# Altium PCB Hrafn.PcbDoc (part 1 of 5) (continued)
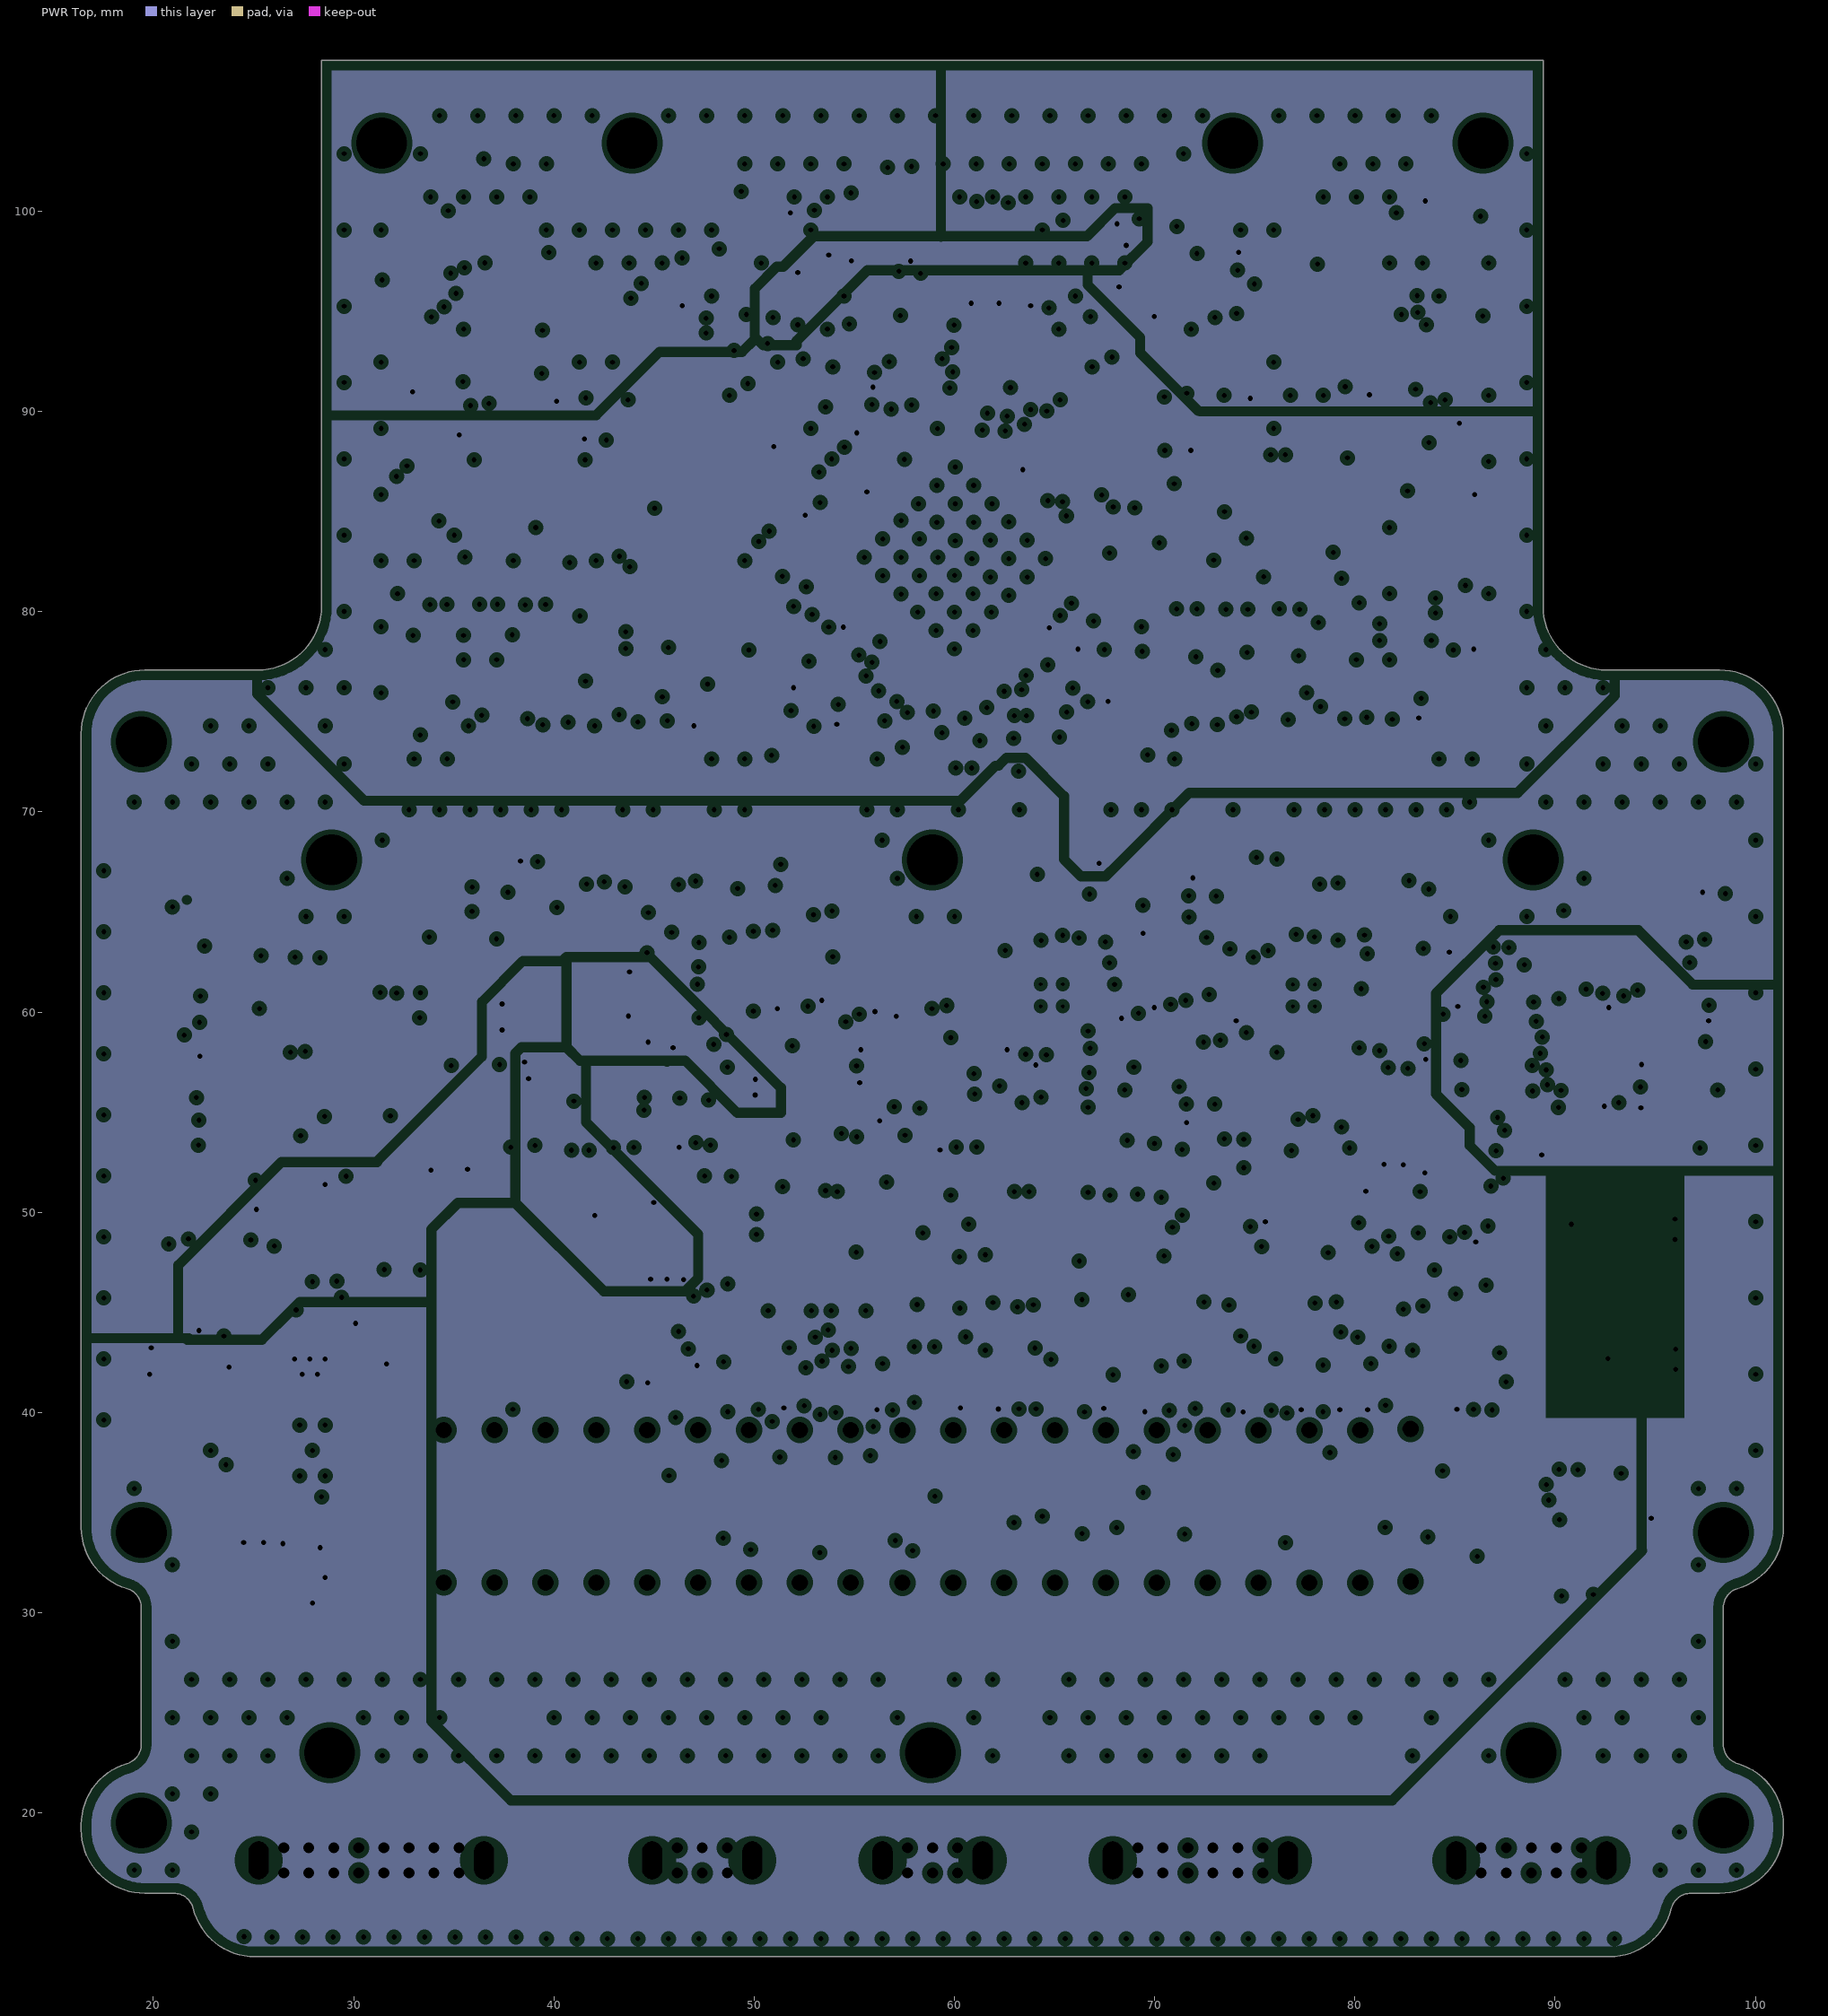
[diagram p4: PWR Top, clearances drawn from the general rule]
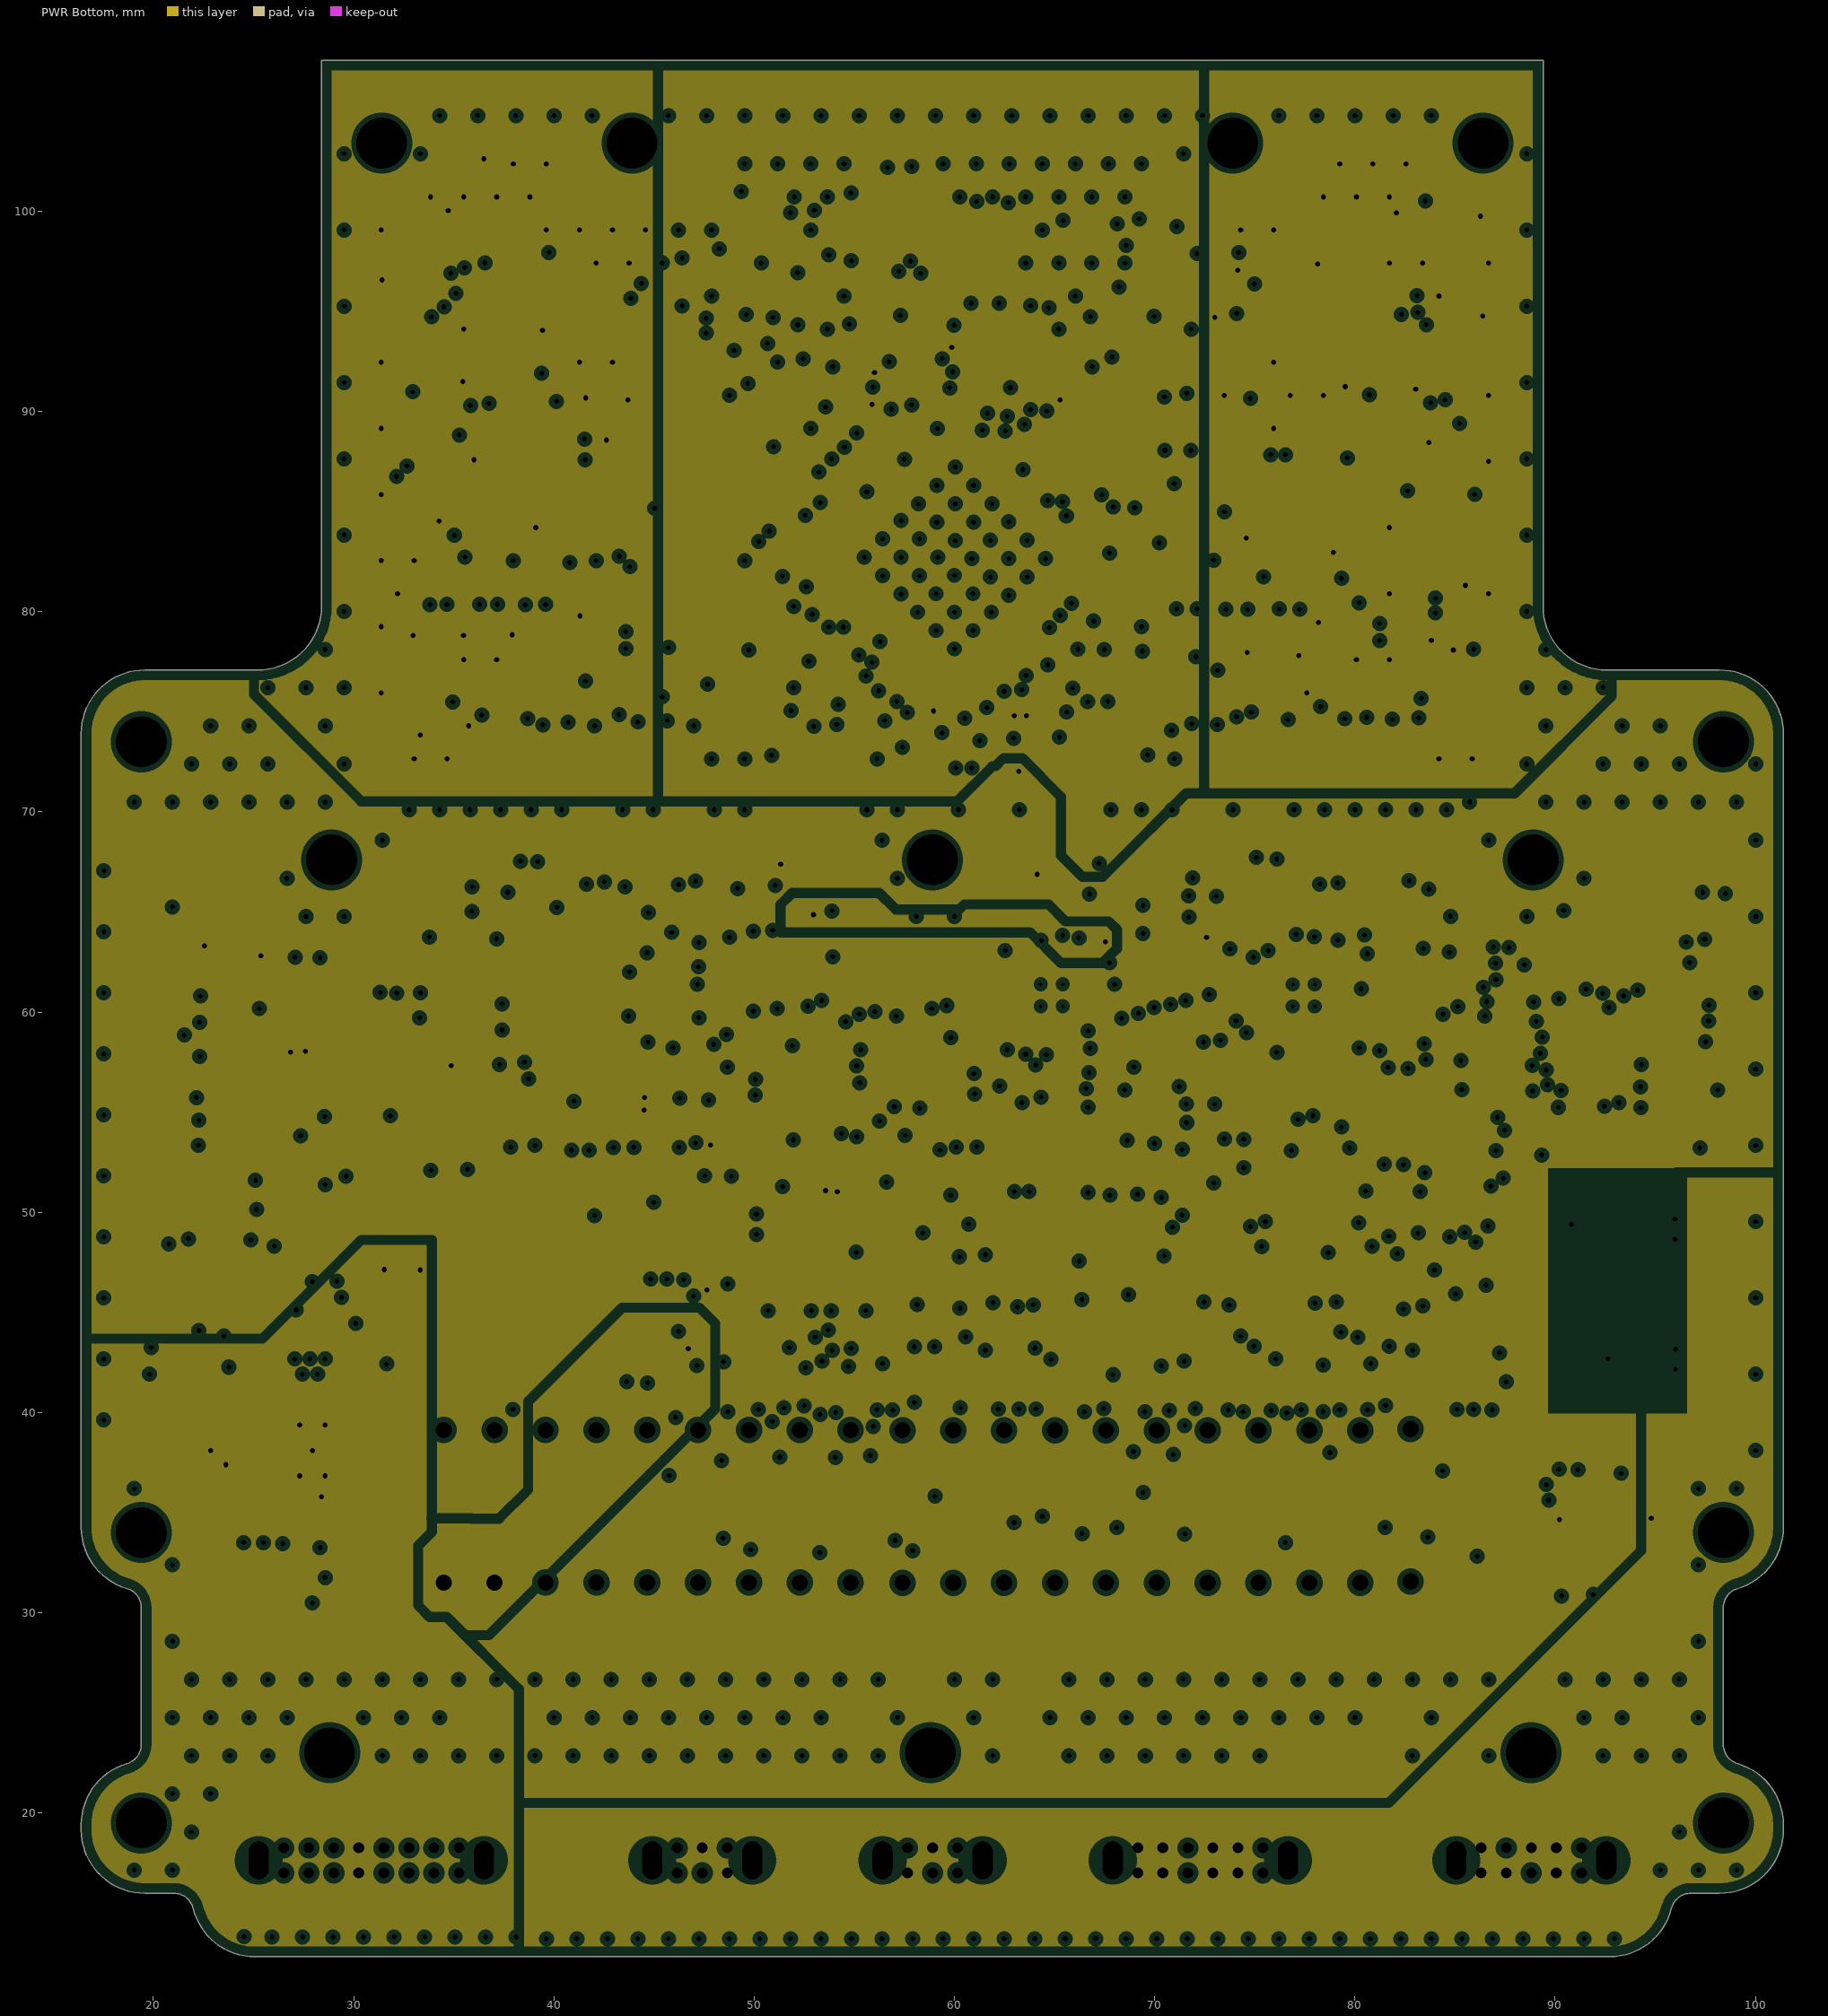
[diagram p5: PWR Bottom, clearances drawn from the general rule]
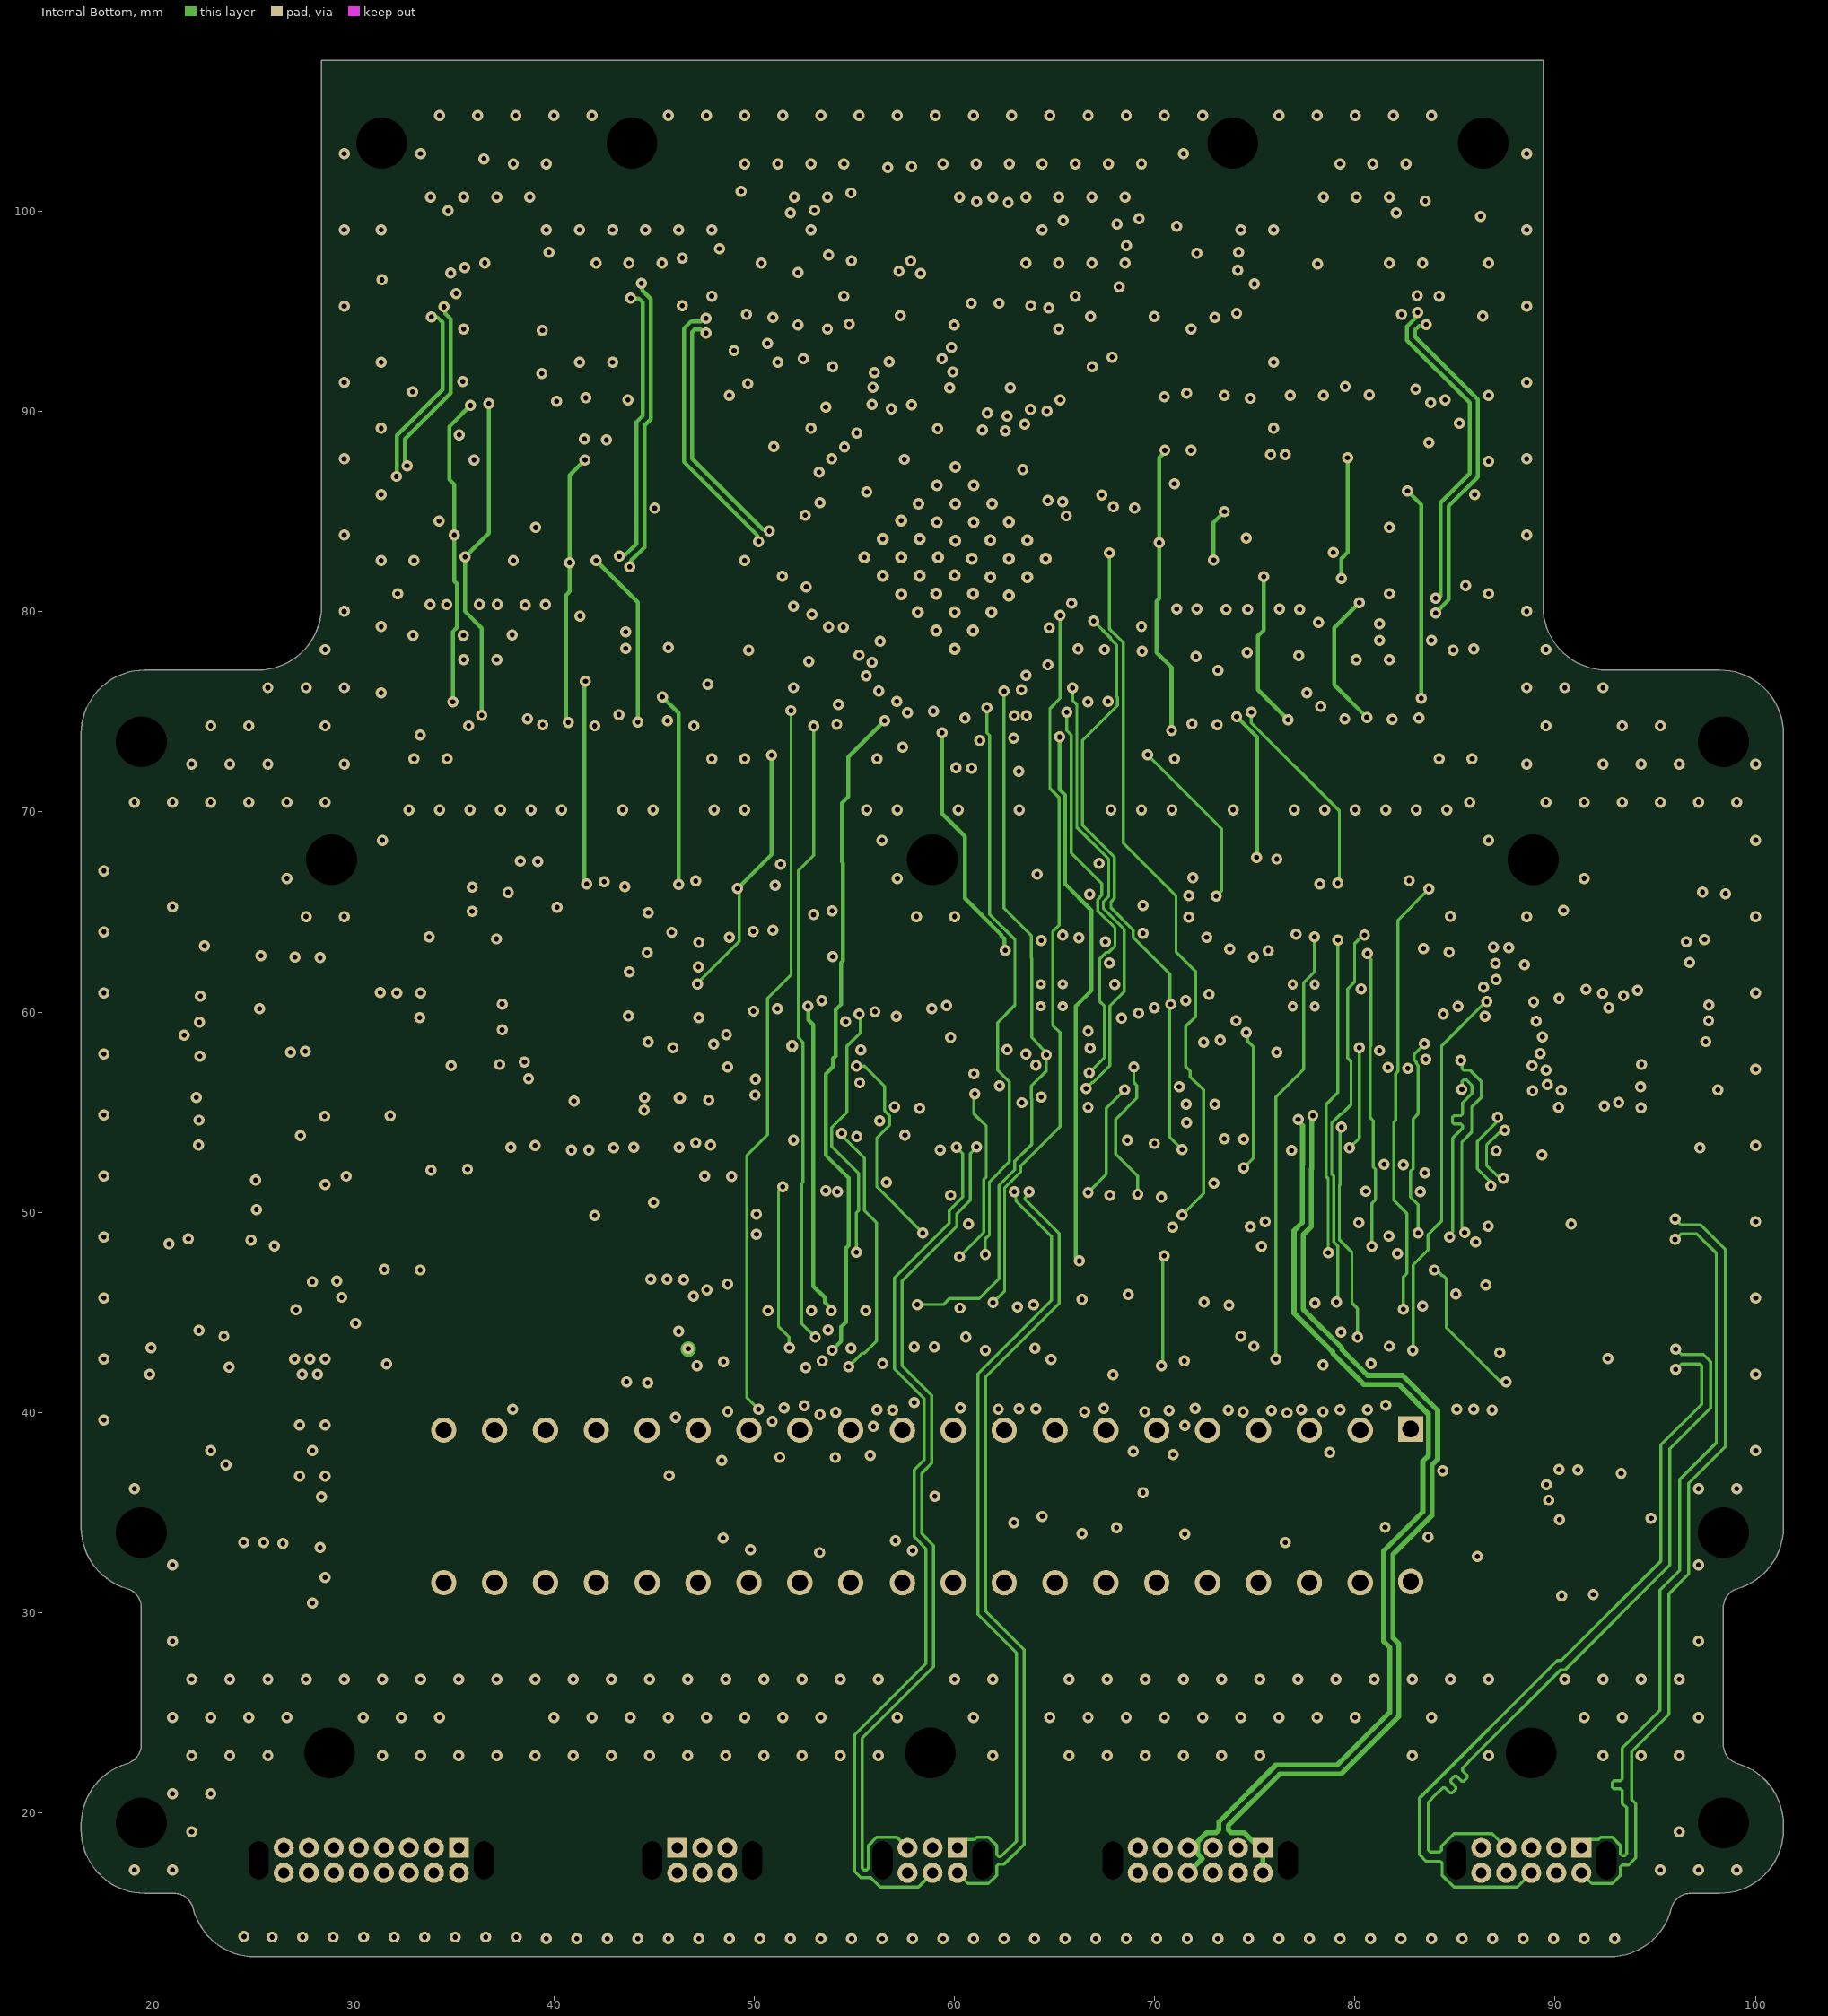
[diagram p6: Internal Bottom]